# Altium PCB Hands_free_ControlUnit_V1.PcbDoc (part 3 of 3)
Units mm, origin at the board's own origin, x right, y up, seen from the top; angles counter-clockwise.
Board outline 60.25 x 90.27 mm, 2 copper layers (Top Layer, Bottom Layer); 33 components, 66 nets, 337 pads, 84 vias.
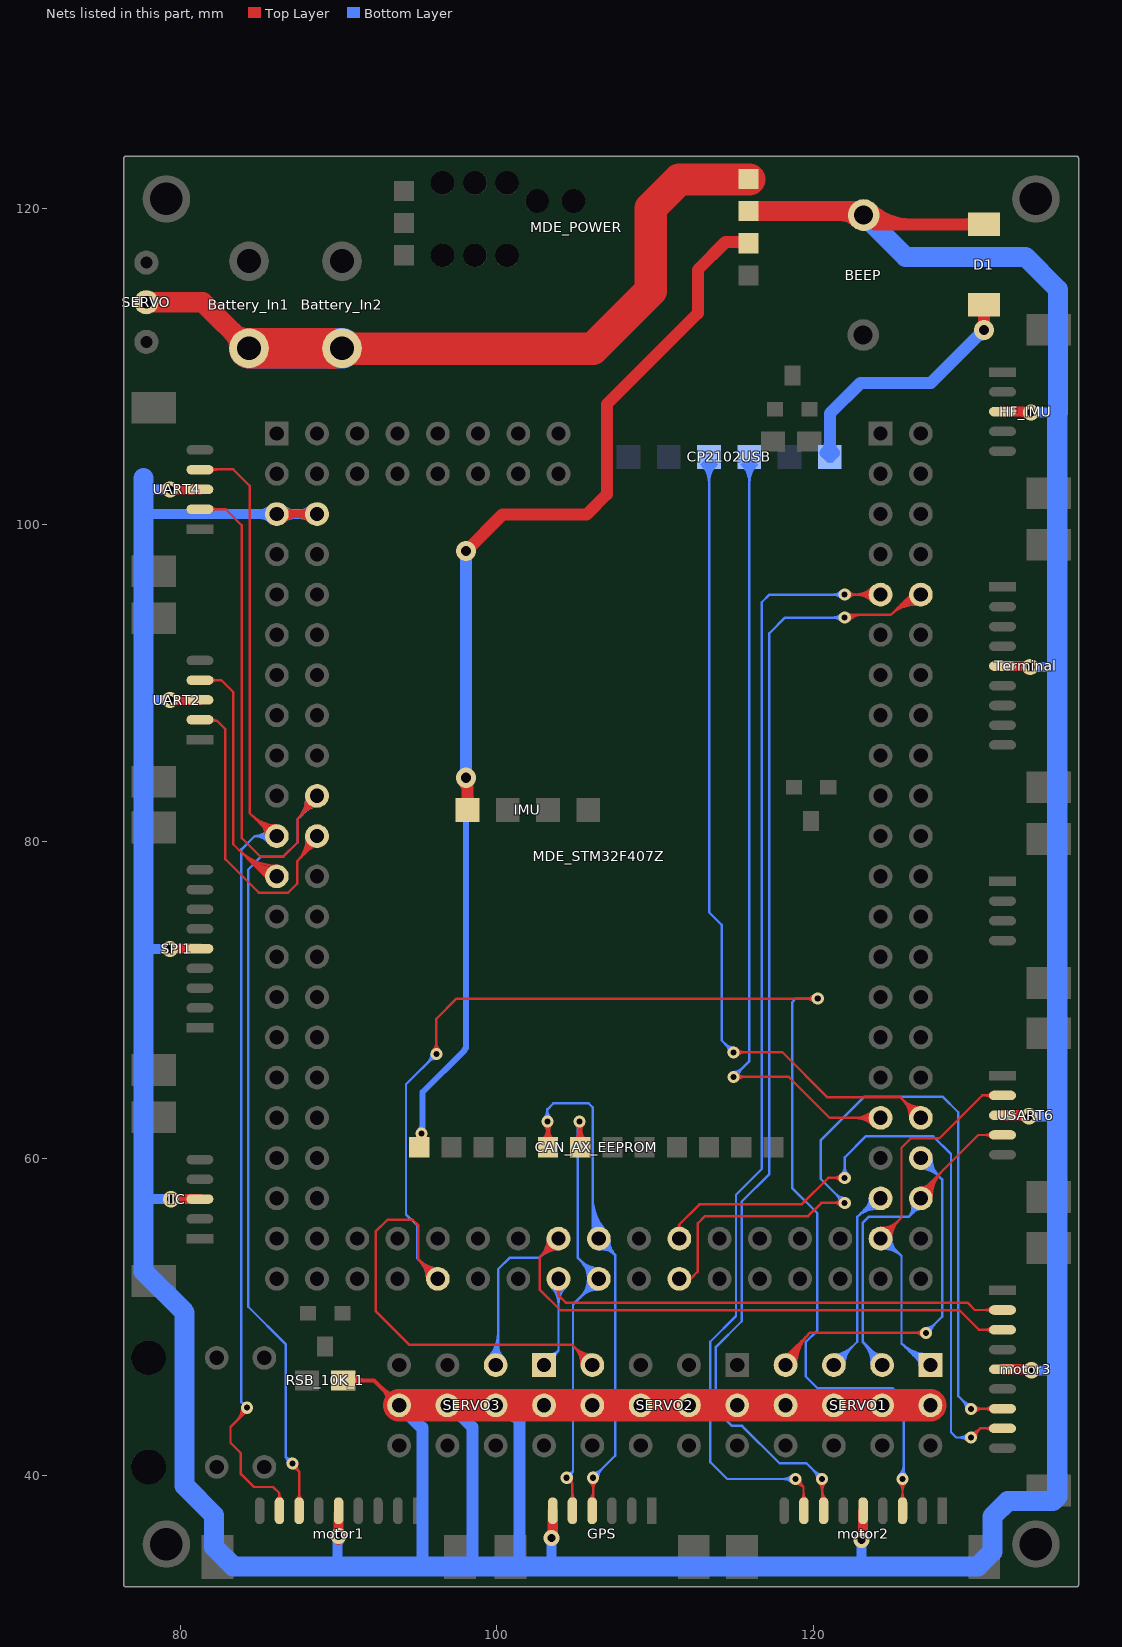
[diagram p3: the nets of this part, all layers, seen from the top]

## Via types
v1: diameter 0.762, hole 0.381, Top Layer to Bottom Layer, 70 vias
v2: diameter 1.016, hole 0.508, Top Layer to Bottom Layer, 11 vias
v3: diameter 1.27, hole 0.635, Top Layer to Bottom Layer, 3 vias

## Nets (pads, with @x,y where several pads share a name; then routed paths per layer and width w, separated by ;. In a path a pad name is that pad's centre, name@x,y a point inside that pad or via, vN(x,y) a via of type N, cw(c..) or ccw(c..) an arc to the next point about the centre after c; other vN are vias at no path point) (continued)
TIM1_PWMOUT4: MDE_STM32F407Z.67 motor2.3 SERVO2.10 | length 135.8
  Top Layer w0.152: MDE_STM32F407Z.67@95.592,52.429 ccw(c93.966,52.429) 95.116,53.579 ccw(c96.266,54.73) MDE_STM32F407Z.67@96.266,53.103 ; MDE_STM32F407Z.67@95.745,52.429 ccw(c94.486,52.429) 95.376,53.319 ccw(c96.266,54.209) MDE_STM32F407Z.67@96.266,52.95 ; MDE_STM32F407Z.67@95.897,52.429 ccw(c95.006,52.429) 95.636,53.059 ccw(c96.266,53.689) MDE_STM32F407Z.67@96.266,52.798 ; v1@95.959,66.84 ccw(c95.439,67.36) 96.175,67.36 ccw(c96.911,67.36) v1@96.391,66.84 ; v1(96.175,66.624) 96.175,68.845 97.443,70.112 v1(120.244,70.112) ; MDE_STM32F407Z.67@96.266,52.429 95.047,53.648 95.047,55.804 94.691,56.159 93.091,56.159 92.341,55.409 92.341,50.407 94.488,48.26 104.75,48.26 SERVO2.10@106.02,46.99 ; SERVO2.10@105.346,46.99 ccw(c103.719,46.99) 104.869,48.14 ccw(c106.02,49.29) SERVO2.10@106.02,47.664 ; SERVO2.10@105.498,46.99 ccw(c104.239,46.99) 105.13,47.88 ccw(c106.02,48.77) SERVO2.10@106.02,47.511 ; SERVO2.10@105.651,46.99 ccw(c104.76,46.99) 105.39,47.62 ccw(c106.02,48.25) SERVO2.10@106.02,47.359 ; v1@120.028,69.897 ccw(c119.508,69.377) 119.508,70.112 ccw(c119.508,70.848) v1@120.028,70.328 ; v1@125.377,39.586 cw(c124.857,39.066) 125.593,39.066 cw(c126.329,39.066) v1@125.808,39.586 ; motor2.3@125.434,38.503 ccw(c125.05,38.887) 125.593,38.887 ; motor2.3@125.567,37.643 125.593,37.669 v1(125.593,39.802) ; 125.593,38.884 ccw(c126.131,38.884) motor2.3@125.75,38.503
  Bottom Layer w0.152: MDE_STM32F407Z.67@95.592,52.429 ccw(c93.966,52.429) 95.116,53.579 ccw(c96.266,54.73) MDE_STM32F407Z.67@96.266,53.103 ; MDE_STM32F407Z.67@95.745,52.429 ccw(c94.486,52.429) 95.376,53.319 ccw(c96.266,54.209) MDE_STM32F407Z.67@96.266,52.95 ; v1@95.87,66.624 cw(c95.134,66.624) 95.655,66.104 cw(c96.175,65.584) v1@96.175,66.319 ; MDE_STM32F407Z.67@95.897,52.429 ccw(c95.006,52.429) 95.636,53.059 ccw(c96.266,53.689) MDE_STM32F407Z.67@96.266,52.798 ; v1(96.175,66.624) 94.259,64.709 94.259,56.49 94.971,55.778 94.971,53.724 MDE_STM32F407Z.67@96.266,52.429 ; v1@120.028,69.897 ccw(c119.508,69.377) 119.508,70.112 ccw(c119.508,70.848) v1@120.028,70.328 ; v1(120.244,70.112) 118.855,70.112 118.643,69.901 118.643,58.141 120.218,56.566 120.218,49.174 119.482,48.438 119.482,46.279 120.244,45.517 124.993,45.517 125.679,44.831 v1@125.679,40.132 ; v1@125.377,40.017 ccw(c124.648,40.746) 125.679,40.746 ; v1@125.485,39.91 ccw(c125.016,40.378) 125.679,40.378 ; 125.679,40.329 ccw(c126.12,40.329) v1@125.808,40.017
TIM2_ENCODR1_A: MDE_STM32F407Z.34 motor1.7 UART4.2 | length 96.1
  Top Layer w0.152: UART4.2@81.255,100.996 82.875,100.996 83.896,99.974 83.896,80.239 85.065,79.07 86.512,79.07 87.427,79.985 87.427,81.458 ; UART4.2@81.963,100.838 cw(c82.345,100.456) 82.345,100.996 cw(c82.345,101.536) UART4.2@81.963,101.154 ; v1@87.097,40.462 cw(c87.097,39.91) 87.487,40.301 ; v1(87.097,40.767) 87.097,40.691 87.518,40.27 ; motor1.7@87.359,38.503 ccw(c86.977,38.885) 87.518,38.885 ccw(c88.058,38.885) motor1.7@87.676,38.503 ; v1@87.394,40.699 ccw(c87.844,40.597) 87.518,40.27 ; motor1.7@87.518,37.643 87.518,40.27 ; 87.67,81.701 ccw(c86.565,82.805) MDE_STM32F407Z.34@88.125,82.883 ; 87.892,81.923 cw(c88.646,81.169) MDE_STM32F407Z.34@88.646,82.235 ; 87.913,81.944 ccw(c87.028,82.828) MDE_STM32F407Z.34@88.277,82.891 ; MDE_STM32F407Z.34@87.973,82.875 cw(c86.103,82.782) 87.427,81.458 ; MDE_STM32F407Z.34@88.014,82.909 MDE_STM32F407Z.34@88.646,82.909 88.646,82.677 87.427,81.458 ; 88.152,82.183 cw(c88.646,81.689) MDE_STM32F407Z.34@88.646,82.388 ; 88.155,82.186 ccw(c87.49,82.851) MDE_STM32F407Z.34@88.43,82.898
  Bottom Layer w0.152: v1@86.795,40.81 ccw(c86.34,40.874) 86.665,41.199 ; v1@87.054,41.069 cw(c86.99,41.524) 86.665,41.199 ; v1(87.097,40.767) 86.665,41.199 ; 87.667,81.672 ccw(c86.553,82.786) MDE_STM32F407Z.34@88.125,82.879 ; 87.907,81.912 ccw(c87.007,82.813) MDE_STM32F407Z.34@88.278,82.887 ; 87.935,81.941 cw(c88.646,81.23) MDE_STM32F407Z.34@88.646,82.235 ; MDE_STM32F407Z.34@87.973,82.87 cw(c86.1,82.76) 87.427,81.432 ; 88.147,82.152 ccw(c87.46,82.839) MDE_STM32F407Z.34@88.43,82.896 ; 88.195,82.201 cw(c88.646,81.751) MDE_STM32F407Z.34@88.646,82.388 ; MDE_STM32F407Z.34@88.646,82.909 88.646,82.652 87.427,81.432 ; 86.665,41.199 86.665,48.311 84.303,50.673 84.303,78.257 85.115,79.07 86.512,79.07 87.427,79.985 87.427,81.432
TIM2_ENCODR1_B: MDE_STM32F407Z.35 motor1.8 UART4.4 | length 88.8
  Top Layer w0.152: UART4.4@81.077,103.505 83.363,103.505 84.404,102.464 84.404,81.813 85.849,80.369 MDE_STM32F407Z.35@86.106,80.369 ; UART4.4@81.963,103.332 cw(c82.38,102.915) 82.38,103.505 ; UART4.4@81.963,103.649 ccw(c82.31,103.995) 82.31,103.505 ; 83.58,43.474 ccw(c82.756,44.298) v1@83.922,44.298 ; 83.841,43.734 ccw(c83.277,44.298) v1@84.074,44.298 ; 84.01,43.903 cw(c84.226,43.686) v1@84.226,43.993 ; v1@84.099,44.298 84.099,44.247 84.226,44.12 83.185,43.078 83.185,42.088 83.845,41.427 83.845,40.107 84.658,39.294 85.877,39.294 86.273,38.898 motor1.8@86.273,37.643 ; 84.516,81.701 ccw(c86.106,83.291) MDE_STM32F407Z.35@86.106,81.043 ; 84.776,81.441 ccw(c86.106,82.771) MDE_STM32F407Z.35@86.106,80.89 ; 85.037,81.181 ccw(c86.106,82.251) MDE_STM32F407Z.35@86.106,80.738 ; 85.138,81.08 cw(c84.427,80.369) MDE_STM32F407Z.35@85.432,80.369 ; 85.297,80.921 ccw(c86.106,81.73) MDE_STM32F407Z.35@86.106,80.586 ; 85.398,80.82 cw(c84.947,80.369) MDE_STM32F407Z.35@85.585,80.369 ; motor1.8@86.115,38.503 ccw(c85.733,38.885) 86.273,38.885 ccw(c86.813,38.885) motor1.8@86.431,38.503
  Bottom Layer w0.152: v1(84.226,44.298) 83.871,44.653 83.871,79.527 84.712,80.369 ; v1@84.366,44.475 v1@84.531,44.31 ; MDE_STM32F407Z.35@85.578,79.951 ccw(c84.713,79.265) 84.713,80.369 ; MDE_STM32F407Z.35@85.578,80.788 cw(c84.713,81.473) 84.713,80.369 ; MDE_STM32F407Z.35@85.697,80.045 ccw(c85.028,79.515) 85.028,80.369 ccw(c85.028,81.223) MDE_STM32F407Z.35@85.697,80.693 ; MDE_STM32F407Z.35@85.817,80.14 ccw(c85.343,79.765) 85.343,80.369 ccw(c85.343,80.974) MDE_STM32F407Z.35@85.817,80.598 ; MDE_STM32F407Z.35@86.106,80.369 84.712,80.369
TIM3_ENCODR2_A: MDE_STM32F407Z.134 motor2.7 | length 87.5
  Top Layer w0.152: v1@120.302,39.586 cw(c119.782,39.066) 120.518,39.066 cw(c121.254,39.066) v1@120.733,39.586 ; motor2.7@120.456,38.503 ccw(c120.305,38.654) 120.518,38.654 ; 120.518,38.749 ccw(c121.018,38.749) motor2.7@120.664,38.396 ; 120.518,39.117 ccw(c121.386,39.117) motor2.7@120.772,38.503 ; v1(120.518,39.802) 120.518,37.713 motor2.7@120.588,37.643 ; v1@122.053,94.05 cw(c122.743,93.361) 122.743,94.336 ; v1@122.161,93.942 cw(c123.111,92.993) 123.111,94.336 ; 122.375,94.336 ccw(c122.375,93.729) v1(121.945,94.158) 122.123,94.336 124.866,94.336 ; 125.084,94.554 cw(c126.425,93.213) MDE_STM32F407Z.134@126.677,95.092 ; 125.302,94.772 cw(c126.477,93.597) MDE_STM32F407Z.134@126.697,95.243 ; 125.52,94.99 cw(c126.528,93.982) MDE_STM32F407Z.134@126.717,95.394 ; 125.738,95.207 cw(c126.58,94.366) MDE_STM32F407Z.134@126.737,95.545 ; 125.956,95.425 cw(c126.631,94.75) MDE_STM32F407Z.134@126.758,95.697 ; MDE_STM32F407Z.134@126.657,94.941 ccw(c126.374,92.828) 124.866,94.336 ; MDE_STM32F407Z.134@126.746,95.609 126.14,95.609 124.866,94.336
  Bottom Layer w0.152: v1@120.213,39.802 ccw(c119.477,39.802) 119.998,40.322 ccw(c120.518,40.842) v1@120.518,40.107 ; v1(120.518,39.802) 119.527,40.792 117.831,40.792 115.468,43.155 114.833,43.155 113.817,44.171 113.817,48.133 115.443,49.759 115.443,57.302 117.196,59.055 117.196,93.167 118.186,94.158 v1(121.945,94.158) v1@122.25,94.158 ; v1@121.73,93.942 ccw(c121.21,93.422) 121.21,94.158 ccw(c121.21,94.894) v1@121.73,94.373
TIM3_ENCODR2_B: MDE_STM32F407Z.135 motor2.8 | length 82.9
  Top Layer w0.152: v1(118.826,39.802) 119.344,39.284 ; v1@118.827,39.497 cw(c118.83,38.771) 119.344,39.284 ; v1@119.131,39.801 ccw(c119.857,39.798) 119.344,39.284 ; motor2.8@119.211,38.503 ccw(c118.89,38.824) 119.344,38.824 ; motor2.8@119.344,37.643 119.344,39.284 ; 119.344,38.947 ccw(c119.971,38.947) motor2.8@119.527,38.503 ; v1(121.945,95.609) MDE_STM32F407Z.135@124.206,95.609 ; v1@122.161,95.394 cw(c122.681,94.873) 122.681,95.609 cw(c122.681,96.345) v1@122.161,95.825 ; MDE_STM32F407Z.135@123.73,95.133 ccw(c122.579,93.982) 122.579,95.609 ccw(c122.579,97.236) MDE_STM32F407Z.135@123.73,96.086 ; MDE_STM32F407Z.135@123.837,95.24 ccw(c122.947,94.35) 122.947,95.609 ccw(c122.947,96.868) MDE_STM32F407Z.135@123.837,95.978 ; MDE_STM32F407Z.135@123.945,95.348 ccw(c123.315,94.718) 123.315,95.609 ccw(c123.315,96.5) MDE_STM32F407Z.135@123.945,95.87
  Bottom Layer w0.152: v1@118.611,39.586 ccw(c118.09,39.066) 118.09,39.802 ccw(c118.09,40.538) v1@118.611,40.017 ; v1(118.826,39.802) 114.529,39.802 113.462,40.869 113.462,48.463 115.087,50.089 115.087,57.734 116.713,59.36 116.713,95.123 117.199,95.609 v1(121.945,95.609) ; v1@121.73,95.394 ccw(c121.21,94.873) 121.21,95.609 ccw(c121.21,96.345) v1@121.73,95.825
TIM4_ENCODR3_A: MDE_STM32F407Z.81 motor3.7 | length 56.1
  Top Layer w0.152: MDE_STM32F407Z.81@111.506,52.429 112.221,52.429 112.674,52.883 112.674,55.931 113.132,56.388 119.634,56.388 120.472,57.226 v1(121.945,57.226) ; v1@121.73,57.011 ccw(c121.21,56.49) 121.21,57.226 ccw(c121.21,57.962) v1@121.73,57.442 ; v1(129.921,44.221) 129.936,44.236 motor3.7@132.105,44.236 ; v1@130.029,44.114 cw(c130.324,43.818) 130.324,44.236 ; v1@130.137,44.006 cw(c130.692,43.45) 130.692,44.236 ; v1@130.137,44.437 ccw(c130.622,44.922) 130.622,44.236 ; motor3.7@131.194,44.078 ccw(c130.812,43.696) 130.812,44.236 ccw(c130.812,44.776) motor3.7@131.194,44.394
  Bottom Layer w0.152: v1@121.641,57.226 ccw(c120.905,57.226) 121.425,57.747 ccw(c121.945,58.267) v1@121.945,57.531 ; v1(121.945,57.226) 120.421,58.75 120.421,61.163 123.19,63.932 128.118,63.932 129.108,62.941 129.108,45.034 v1(129.921,44.221) ; v1@129.616,44.221 ccw(c128.88,44.221) 129.401,44.742 ccw(c129.921,45.262) v1@129.921,44.526
TIM4_ENCODR3_B: MDE_STM32F407Z.82 motor3.8 | length 49
  Top Layer w0.152: MDE_STM32F407Z.82@111.326,55.619 ccw(c111.261,55.855) 111.506,55.855 ; MDE_STM32F407Z.82@111.506,54.969 111.506,55.855 ; MDE_STM32F407Z.82@111.686,55.619 cw(c111.751,55.855) 111.506,55.855 ; v1@121.73,58.585 ccw(c121.21,58.065) 121.21,58.801 ccw(c121.21,59.537) v1@121.73,59.017 ; v1(121.945,58.801) 120.904,58.801 119.228,57.125 112.776,57.125 111.506,55.855 ; v1(129.921,42.418) 130.494,42.991 motor3.8@132.105,42.991 ; v1@129.921,42.723 ccw(c129.921,43.459) 130.441,42.938 ccw(c130.962,42.418) v1@130.226,42.418 ; motor3.8@131.194,42.833 ccw(c130.812,42.451) 130.812,42.991 ccw(c130.812,43.532) motor3.8@131.194,43.15
  Bottom Layer w0.152: v1@121.73,59.017 ccw(c121.21,59.537) 121.945,59.537 ccw(c122.681,59.537) v1@122.161,59.017 ; v1(121.945,58.801) 121.945,60.096 123.266,61.417 127.533,61.417 128.651,60.3 128.651,42.748 128.981,42.418 v1(129.921,42.418) ; v1@129.705,42.202 ccw(c129.185,41.682) 129.185,42.418 ccw(c129.185,43.154) v1@129.705,42.634
TIM8_PWMOUT1: MDE_STM32F407Z.96 SERVO1.1 USART6.2 | length 43.9
  Top Layer w0.152: MDE_STM32F407Z.96@124.206,54.969 125.527,56.29 125.527,60.706 126.111,61.29 127.914,61.29 130.627,64.003 USART6.2@132.105,64.003 ; MDE_STM32F407Z.96@124.206,55.338 ccw(c124.206,56.229) 124.836,55.599 ccw(c125.466,54.969) MDE_STM32F407Z.96@124.575,54.969 ; MDE_STM32F407Z.96@124.206,55.49 ccw(c124.206,56.749) 125.096,55.859 ccw(c125.986,54.969) MDE_STM32F407Z.96@124.727,54.969 ; MDE_STM32F407Z.96@124.206,55.643 ccw(c124.206,57.27) 125.356,56.119 ccw(c126.506,54.969) MDE_STM32F407Z.96@124.88,54.969 ; USART6.2@131.194,63.844 ccw(c130.812,63.462) 130.812,64.003 ccw(c130.812,64.543) USART6.2@131.194,64.161
  Bottom Layer w0.152: MDE_STM32F407Z.96@124.206,54.969 124.431,54.969 125.527,53.873 ; MDE_STM32F407Z.96@124.232,54.754 cw(c124.325,53.998) 124.864,54.537 ; MDE_STM32F407Z.96@124.251,54.603 cw(c124.373,53.604) 125.085,54.316 ; MDE_STM32F407Z.96@124.269,54.452 cw(c124.421,53.21) 125.306,54.095 ; MDE_STM32F407Z.96@124.288,54.3 cw(c124.47,52.816) 125.527,53.873 ; MDE_STM32F407Z.96@124.727,54.969 ccw(c125.443,54.969) 124.937,54.463 ; MDE_STM32F407Z.96@124.88,54.969 ccw(c125.963,54.969) 125.197,54.203 ; 125.771,48.117 ccw(c127.24,49.585) SERVO1.1@127.332,47.511 ; 126.016,47.872 ccw(c127.261,49.117) SERVO1.1@127.339,47.359 ; 126.261,47.628 ccw(c127.281,48.649) SERVO1.1@127.346,47.206 ; 126.505,47.383 ccw(c127.302,48.18) SERVO1.1@127.353,47.054 ; 126.529,47.36 cw(c126.159,46.99) SERVO1.1@126.682,46.99 ; SERVO1.1@127.326,47.663 cw(c127.219,50.053) 125.527,48.362 ; SERVO1.1@127.356,46.99 126.898,46.99 125.527,48.362 ; 125.527,48.362 125.527,53.873
TIM8_PWMOUT2: MDE_STM32F407Z.97 SERVO1.4 USART6.4 | length 39.6
  Top Layer w0.152: MDE_STM32F407Z.97@126.746,57.509 126.746,57.887 130.367,61.508 USART6.4@132.105,61.508 ; MDE_STM32F407Z.97@126.746,58.183 ccw(c126.746,58.898) 127.252,58.392 ; MDE_STM32F407Z.97@126.81,57.509 cw(c127.877,57.509) 127.123,58.263 ; MDE_STM32F407Z.97@126.963,57.509 cw(c128.397,57.509) 127.383,58.523 ; MDE_STM32F407Z.97@127.115,57.509 cw(c128.917,57.509) 127.643,58.783 ; MDE_STM32F407Z.97@127.267,57.509 cw(c129.438,57.509) 127.903,59.044 ; MDE_STM32F407Z.97@127.42,57.509 cw(c129.958,57.509) 128.163,59.304 ; USART6.4@131.194,61.35 ccw(c130.812,60.968) 130.812,61.508 ccw(c130.812,62.048) USART6.4@131.194,61.666
  Bottom Layer w0.152: 123.332,48.194 cw(c122.228,47.091) SERVO1.4@123.787,47.015 ; 123.548,47.979 ccw(c124.308,48.739) SERVO1.4@124.308,47.664 ; 123.575,47.951 cw(c122.692,47.069) SERVO1.4@123.939,47.008 ; SERVO1.4@123.635,47.023 ccw(c121.765,47.114) 123.088,48.438 ; 123.808,47.718 ccw(c124.308,48.218) SERVO1.4@124.308,47.511 ; 123.818,47.708 cw(c123.156,47.046) SERVO1.4@124.091,47.001 ; SERVO1.4@124.308,46.99 124.308,47.219 123.088,48.438 ; 126.137,56.49 ccw(c125.641,56.986) MDE_STM32F407Z.97@126.275,57.286 ; MDE_STM32F407Z.97@126.137,57.221 cw(c125.434,56.888) 125.984,56.337 ; 126.29,56.643 ccw(c125.849,57.084) MDE_STM32F407Z.97@126.413,57.351 ; 126.295,56.649 cw(c126.746,56.198) MDE_STM32F407Z.97@126.746,56.835 ; 126.443,56.796 ccw(c126.056,57.182) MDE_STM32F407Z.97@126.55,57.416 ; MDE_STM32F407Z.97@126.746,57.509 126.746,57.099 125.984,56.337 ; 123.088,48.438 123.088,55.982 123.444,56.337 125.984,56.337
TIM8_PWMOUT3: MDE_STM32F407Z.98 SERVO1.7 | length 23.7
  Bottom Layer w0.152: SERVO1.7@121.26,46.99 122.733,48.463 122.733,56.337 ; SERVO1.7@121.26,47.359 ccw(c121.26,48.25) 121.89,47.62 ccw(c122.519,46.99) SERVO1.7@121.629,46.99 ; SERVO1.7@121.26,47.511 ccw(c121.26,48.77) 122.15,47.88 ccw(c123.04,46.99) SERVO1.7@121.781,46.99 ; SERVO1.7@121.26,47.664 ccw(c121.26,49.29) 122.41,48.14 ccw(c123.56,46.99) SERVO1.7@121.933,46.99 ; 122.96,56.565 cw(c124.006,55.519) MDE_STM32F407Z.98@124.154,56.99 ; 123.187,56.792 cw(c124.047,55.932) MDE_STM32F407Z.98@124.169,57.142 ; 123.269,56.873 ccw(c122.633,57.509) MDE_STM32F407Z.98@123.532,57.509 ; 123.415,57.019 cw(c124.089,56.345) MDE_STM32F407Z.98@124.184,57.294 ; 123.529,57.133 ccw(c123.153,57.509) MDE_STM32F407Z.98@123.685,57.509 ; MDE_STM32F407Z.98@124.139,56.839 ccw(c123.964,55.106) 122.733,56.337 ; MDE_STM32F407Z.98@124.206,57.509 123.905,57.509 122.733,56.337
TIM8_PWMOUT4: MDE_STM32F407Z.99 SERVO1.10 | length 39
  Top Layer w0.152: SERVO1.10@118.212,46.99 118.212,47.498 119.736,49.022 v1(127.076,49.022) ; SERVO1.10@118.212,47.664 ccw(c118.212,48.064) 118.495,47.781 ; SERVO1.10@118.276,46.99 cw(c119.657,46.99) 118.68,47.967 ; SERVO1.10@118.428,46.99 cw(c120.178,46.99) 118.941,48.227 ; SERVO1.10@118.581,46.99 cw(c120.698,46.99) 119.201,48.487 ; SERVO1.10@118.733,46.99 cw(c121.218,46.99) 119.461,48.747 ; SERVO1.10@118.885,46.99 cw(c121.739,46.99) 119.721,49.007 ; v1@126.861,48.806 ccw(c126.34,48.286) 126.34,49.022 ccw(c126.34,49.758) v1@126.861,49.238
  Bottom Layer w0.152: MDE_STM32F407Z.99@126.746,59.375 cw(c126.746,57.749) 127.896,58.899 cw(c129.046,60.049) MDE_STM32F407Z.99@127.42,60.049 ; MDE_STM32F407Z.99@126.746,59.528 cw(c126.746,58.269) 127.636,59.159 cw(c128.526,60.049) MDE_STM32F407Z.99@127.267,60.049 ; MDE_STM32F407Z.99@126.746,59.68 cw(c126.746,58.789) 127.376,59.419 cw(c128.006,60.049) MDE_STM32F407Z.99@127.115,60.049 ; MDE_STM32F407Z.99@126.746,60.198 MDE_STM32F407Z.99@126.746,60.049 128.092,58.703 128.092,50.038 v1(127.076,49.022) ; v1@127.076,49.327 ccw(c127.076,50.063) 127.597,49.542 ccw(c128.117,49.022) v1@127.381,49.022
TIM12_PWMOUT1: MDE_STM32F407Z.75 motor3.2 SERVO3.1 | length 47.2
  Top Layer w0.152: MDE_STM32F407Z.75@103.608,51.815 cw(c103.413,51.384) 103.886,51.384 ; MDE_STM32F407Z.75@103.671,51.954 cw(c103.52,51.621) 103.886,51.621 cw(c104.252,51.621) MDE_STM32F407Z.75@104.101,51.954 ; MDE_STM32F407Z.75@103.886,52.429 103.886,51.384 ; MDE_STM32F407Z.75@104.164,51.815 ccw(c104.359,51.384) 103.886,51.384 ; motor3.2@131.194,50.306 ccw(c130.812,49.924) 130.812,50.464 ccw(c130.812,51.005) motor3.2@131.194,50.623 ; motor3.2@132.105,50.464 130.155,50.464 129.692,50.927 104.343,50.927 103.886,51.384
  Bottom Layer w0.152: SERVO3.1@102.972,46.99 103.886,47.904 ; SERVO3.1@103.063,47.503 ccw(c103.185,48.192) 103.679,47.698 ccw(c104.174,47.203) SERVO3.1@103.485,47.081 ; SERVO3.1@103.089,47.653 ccw(c103.247,48.543) 103.886,47.904 ; MDE_STM32F407Z.75@103.41,51.953 cw(c102.259,50.802) 103.886,50.802 cw(c105.513,50.802) MDE_STM32F407Z.75@104.362,51.953 ; MDE_STM32F407Z.75@103.517,52.06 cw(c102.627,51.17) 103.886,51.17 cw(c105.145,51.17) MDE_STM32F407Z.75@104.255,52.06 ; MDE_STM32F407Z.75@103.625,52.168 cw(c102.995,51.538) 103.886,51.538 cw(c104.777,51.538) MDE_STM32F407Z.75@104.147,52.168 ; SERVO3.1@103.635,47.108 cw(c104.525,47.265) 103.886,47.904 ; MDE_STM32F407Z.75@103.886,52.429 103.886,47.904
TIM12_PWMOUT2: MDE_STM32F407Z.76 motor3.3 SERVO3.4 | length 64.3
  Top Layer w0.152: MDE_STM32F407Z.76@103.212,54.969 cw(c101.586,54.969) 102.736,53.819 cw(c103.886,52.669) MDE_STM32F407Z.76@103.886,54.295 ; MDE_STM32F407Z.76@103.365,54.969 cw(c102.106,54.969) 102.996,54.079 cw(c103.886,53.189) MDE_STM32F407Z.76@103.886,54.448 ; MDE_STM32F407Z.76@103.517,54.969 cw(c102.626,54.969) 103.256,54.339 cw(c103.886,53.709) MDE_STM32F407Z.76@103.886,54.6 ; MDE_STM32F407Z.76@103.886,54.737 MDE_STM32F407Z.76@103.886,54.969 102.692,53.775 102.692,51.765 104.013,50.444 129.184,50.444 130.414,49.214 motor3.3@132.105,49.214 ; motor3.3@131.194,49.056 ccw(c130.812,48.674) 130.812,49.214 ccw(c130.812,49.755) motor3.3@131.194,49.373
  Bottom Layer w0.152: SERVO3.4@99.447,47.466 ccw(c97.929,48.985) 100.076,48.985 ; SERVO3.4@99.555,47.359 ccw(c98.297,48.617) 100.076,48.617 ; SERVO3.4@99.663,47.251 ccw(c98.665,48.249) 100.076,48.249 ccw(c101.182,48.249) SERVO3.4@100.4,47.466 ; SERVO3.4@99.77,47.143 ccw(c99.033,47.881) 100.076,47.881 ccw(c100.814,47.881) SERVO3.4@100.292,47.359 ; SERVO3.4@99.924,46.99 100.076,47.142 100.076,53.035 100.813,53.772 102.689,53.772 MDE_STM32F407Z.76@103.886,54.969 ; MDE_STM32F407Z.76@103.212,54.969 cw(c101.586,54.969) 102.736,53.819 cw(c103.886,52.669) MDE_STM32F407Z.76@103.886,54.295 ; MDE_STM32F407Z.76@103.365,54.969 cw(c102.106,54.969) 102.996,54.079 cw(c103.886,53.189) MDE_STM32F407Z.76@103.886,54.448 ; MDE_STM32F407Z.76@103.517,54.969 cw(c102.626,54.969) 103.256,54.339 cw(c103.886,53.709) MDE_STM32F407Z.76@103.886,54.6
USART1_RX: CP2102USB.4 MDE_STM32F407Z.102 | length 64
  Top Layer w0.152: v1(114.935,65.176) 118.415,65.176 121.002,62.589 MDE_STM32F407Z.102@124.206,62.589 ; v1@115.151,64.961 cw(c115.671,64.441) 115.671,65.176 cw(c115.671,65.912) v1@115.151,65.392 ; MDE_STM32F407Z.102@123.73,62.113 ccw(c122.579,60.962) 122.579,62.589 ccw(c122.579,64.216) MDE_STM32F407Z.102@123.73,63.066 ; MDE_STM32F407Z.102@123.837,62.22 ccw(c122.947,61.33) 122.947,62.589 ccw(c122.947,63.848) MDE_STM32F407Z.102@123.837,62.958 ; MDE_STM32F407Z.102@123.945,62.328 ccw(c123.315,61.698) 123.315,62.589 ccw(c123.315,63.48) MDE_STM32F407Z.102@123.945,62.85
  Bottom Layer w0.152: v1(114.935,65.176) 115.926,66.167 CP2102USB.4@115.926,104.292 ; v1@114.935,65.481 ccw(c114.935,66.217) 115.455,65.697 ccw(c115.976,65.176) v1@115.24,65.176 ; CP2102USB.4@115.45,103.816 cw(c114.301,102.667) 115.926,102.667 cw(c117.551,102.667) CP2102USB.4@116.402,103.816 ; CP2102USB.4@115.557,103.924 cw(c114.669,103.035) 115.926,103.035 cw(c117.183,103.035) CP2102USB.4@116.294,103.924 ; CP2102USB.4@115.665,104.032 cw(c115.036,103.403) 115.926,103.403 cw(c116.815,103.403) CP2102USB.4@116.186,104.032
USART1_TX: CP2102USB.3 MDE_STM32F407Z.101 | length 65.9
  Top Layer w0.152: v1(114.935,66.726) 118.008,66.726 120.853,63.881 125.454,63.881 MDE_STM32F407Z.101@126.746,62.589 ; v1@115.151,66.51 cw(c115.671,65.99) 115.671,66.726 cw(c115.671,67.462) v1@115.151,66.941 ; MDE_STM32F407Z.101@126.072,62.589 ccw(c124.446,62.589) 125.596,63.739 ccw(c126.746,64.89) MDE_STM32F407Z.101@126.746,63.263 ; MDE_STM32F407Z.101@126.225,62.589 ccw(c124.966,62.589) 125.856,63.479 ccw(c126.746,64.369) MDE_STM32F407Z.101@126.746,63.11 ; MDE_STM32F407Z.101@126.377,62.589 ccw(c125.486,62.589) 126.116,63.219 ccw(c126.746,63.849) MDE_STM32F407Z.101@126.746,62.958
  Bottom Layer w0.152: CP2102USB.3@112.91,103.816 cw(c111.761,102.667) 113.386,102.667 cw(c115.011,102.667) CP2102USB.3@113.862,103.816 ; CP2102USB.3@113.017,103.924 cw(c112.129,103.035) 113.386,103.035 cw(c114.643,103.035) CP2102USB.3@113.754,103.924 ; CP2102USB.3@113.125,104.032 cw(c112.496,103.403) 113.386,103.403 cw(c114.275,103.403) CP2102USB.3@113.646,104.032 ; CP2102USB.3@113.386,104.292 113.386,75.565 114.173,74.778 114.173,67.488 v1(114.935,66.726) ; v1@114.63,66.726 ccw(c113.894,66.726) 114.415,67.246 ccw(c114.935,67.766) v1@114.935,67.031
USART2_RX: MDE_STM32F407Z.37 UART2.4 | length 28.8
  Top Layer w0.152: UART2.4@81.255,90.206 82.615,90.206 83.363,89.459 83.363,79.858 85.391,77.829 MDE_STM32F407Z.37@86.106,77.829 ; UART2.4@81.963,90.048 cw(c82.345,89.666) 82.345,90.206 cw(c82.345,90.746) UART2.4@81.963,90.364 ; 83.736,79.485 ccw(c86.106,81.855) MDE_STM32F407Z.37@86.106,78.503 ; 83.996,79.225 ccw(c86.106,81.335) MDE_STM32F407Z.37@86.106,78.35 ; 84.256,78.964 ccw(c86.106,80.814) MDE_STM32F407Z.37@86.106,78.198 ; 84.516,78.704 ccw(c86.106,80.294) MDE_STM32F407Z.37@86.106,78.046 ; 84.776,78.444 ccw(c86.106,79.774) MDE_STM32F407Z.37@86.106,77.893 ; 85.037,78.184 ccw(c86.106,79.253) MDE_STM32F407Z.37@86.106,77.741 ; 85.297,77.924 ccw(c86.106,78.733) MDE_STM32F407Z.37@86.106,77.588
USART2_TX: MDE_STM32F407Z.36 UART2.2 | length 25.5
  Top Layer w0.152: UART2.2@81.509,87.655 82.321,87.655 ; UART2.2@81.963,87.553 cw(c82.209,87.307) 82.209,87.655 ; UART2.2@81.992,87.834 ccw(c82.321,88.048) 82.321,87.655 ; 87.638,79.027 ccw(c86.45,80.215) MDE_STM32F407Z.36@88.126,80.333 ; 87.874,79.264 ccw(c86.892,80.246) MDE_STM32F407Z.36@88.278,80.343 ; MDE_STM32F407Z.36@87.974,80.322 cw(c86.008,80.184) 87.401,78.791 ; 88.065,79.455 cw(c88.646,78.874) MDE_STM32F407Z.36@88.646,79.695 ; 88.111,79.5 ccw(c87.334,80.277) MDE_STM32F407Z.36@88.43,80.354 ; MDE_STM32F407Z.36@88.646,80.369 88.367,80.09 88.367,79.756 87.401,78.791 ; 82.321,87.655 82.855,87.122 82.855,78.918 84.973,76.8 86.833,76.8 87.401,77.368 87.401,78.791
USART3_RX: CAN_AX_EEPROM.8 GPS.4 MDE_STM32F407Z.78 | length 58.9
  Top Layer w0.152: CAN_AX_EEPROM.8@102.83,61.127 ccw(c101.982,61.975) 103.182,61.975 ; CAN_AX_EEPROM.8@102.938,61.019 ccw(c102.35,61.607) 103.182,61.607 ; v1@102.967,62.141 cw(c102.446,61.621) 103.182,61.621 cw(c103.918,61.621) v1@103.398,62.141 ; v1@103.02,62.099 cw(c102.698,61.586) 103.288,61.721 ; CAN_AX_EEPROM.8@103.175,60.325 103.175,60.731 103.182,60.739 v1(103.182,62.357) ; 103.182,61.45 ccw(c103.944,61.45) CAN_AX_EEPROM.8@103.405,60.911 ; 103.182,61.818 ccw(c104.312,61.818) CAN_AX_EEPROM.8@103.513,61.019 ; v1@103.182,62.186 ccw(c104.68,62.186) CAN_AX_EEPROM.8@103.621,61.127 ; 103.238,61.939 cw(c103.633,62.03) v1@103.305,62.267 ; 103.313,61.612 cw(c103.994,61.768) v1@103.429,62.178 ; GPS.4@105.851,38.503 ccw(c105.32,39.034) 106.07,39.034 ; v1@105.855,39.662 cw(c105.335,39.142) 106.07,39.142 cw(c106.806,39.142) v1@106.286,39.662 ; GPS.4@105.958,38.396 ccw(c105.688,38.666) 106.07,38.666 ; GPS.4@106.009,37.643 106.07,37.704 v1(106.07,39.878) ; 106.07,38.737 ccw(c106.4,38.737) GPS.4@106.167,38.503
  Bottom Layer w0.152: v1@102.967,62.573 ccw(c102.446,63.093) 103.182,63.093 ccw(c103.918,63.093) v1@103.398,62.573 ; v1(103.182,62.357) 103.182,63.126 103.556,63.5 105.791,63.5 106.045,63.246 106.045,55.35 MDE_STM32F407Z.78@106.426,54.969 107.455,53.94 ; MDE_STM32F407Z.78@105.95,55.446 ccw(c105.719,55.676) 106.045,55.676 ccw(c107.133,55.676) MDE_STM32F407Z.78@106.364,54.907 ; 106.045,56.044 ccw(c107.501,56.044) MDE_STM32F407Z.78@106.471,55.014 ; 106.045,56.412 ccw(c107.869,56.412) MDE_STM32F407Z.78@106.579,55.122 ; 106.045,56.78 ccw(c108.237,56.78) MDE_STM32F407Z.78@106.687,55.23 ; 106.045,57.148 ccw(c108.605,57.148) MDE_STM32F407Z.78@106.795,55.338 ; 106.045,57.516 ccw(c108.973,57.516) MDE_STM32F407Z.78@106.902,55.446 ; v1(106.07,39.878) 107.455,41.263 107.455,53.94 ; v1@106.07,40.183 ccw(c106.07,40.919) 106.591,40.398 ccw(c107.111,39.878) v1@106.375,39.878 ; MDE_STM32F407Z.78@106.456,54.601 cw(c106.511,53.927) 106.99,54.405 cw(c107.468,54.884) MDE_STM32F407Z.78@106.794,54.939 ; MDE_STM32F407Z.78@106.468,54.449 cw(c106.546,53.496) 107.223,54.173 cw(c107.899,54.849) MDE_STM32F407Z.78@106.946,54.927 ; MDE_STM32F407Z.78@106.481,54.298 cw(c106.582,53.066) 107.455,53.94 ; MDE_STM32F407Z.78@107.098,54.914 ccw(c108.329,54.813) 107.455,53.94
USART3_TX: CAN_AX_EEPROM.7 GPS.5 MDE_STM32F407Z.77 | length 52.1
  Top Layer w0.152: v1(104.402,39.878) 104.764,39.516 ; v1@104.489,39.586 cw(c104.568,39.321) 104.764,39.516 ; GPS.5@104.606,38.503 ccw(c104.224,38.885) 104.764,38.885 ccw(c105.304,38.885) GPS.5@104.922,38.503 ; v1@104.695,39.791 ccw(c104.96,39.712) 104.764,39.516 ; GPS.5@104.764,37.643 104.764,39.516 ; CAN_AX_EEPROM.7@104.862,61.127 ccw(c104.005,61.984) v1@105.218,61.984 ; CAN_AX_EEPROM.7@104.97,61.019 ccw(c104.373,61.616) 105.218,61.616 ; v1@105.002,62.141 cw(c104.482,61.621) 105.218,61.621 cw(c105.954,61.621) v1@105.433,62.141 ; v1@105.016,62.128 cw(c104.717,61.787) 105.162,61.7 ; v1@105.055,62.099 cw(c104.736,61.592) 105.32,61.725 ; v1@105.117,62.243 cw(c104.92,62.018) 105.213,61.961 ; 105.18,61.791 cw(c105.662,61.696) v1@105.388,62.104 ; CAN_AX_EEPROM.7@105.207,60.731 105.218,60.742 v1(105.218,62.357) ; 105.218,61.441 ccw(c105.967,61.441) CAN_AX_EEPROM.7@105.437,60.911 ; 105.218,61.809 ccw(c106.335,61.809) CAN_AX_EEPROM.7@105.545,61.019 ; v1@105.218,62.177 ccw(c106.703,62.177) CAN_AX_EEPROM.7@105.653,61.127 ; 105.272,61.94 cw(c105.662,62.028) v1@105.34,62.266 ; 105.345,61.616 cw(c106.013,61.768) v1@105.463,62.176 ; MDE_STM32F407Z.77@106.426,52.429 MDE_STM32F407Z.77@106.426,52.908
  Bottom Layer w0.152: v1(104.402,39.878) 104.8,40.276 ; v1@104.465,40.176 ccw(c104.541,40.535) 104.8,40.276 ; v1@104.701,39.941 cw(c105.06,40.016) 104.8,40.276 ; v1@105.002,62.141 cw(c104.753,61.893) 105.105,61.893 ; 105.105,61.35 cw(c106.225,61.35) v1@105.433,62.141 ; 105.105,61.718 cw(c105.857,61.718) v1@105.325,62.249 ; v1@105.105,62.357 105.105,53.75 MDE_STM32F407Z.77@106.426,52.429 104.8,50.803 104.8,40.276 ; MDE_STM32F407Z.77@106.426,51.755 ccw(c106.426,50.129) 105.276,51.279 ccw(c104.126,52.429) 105.752,52.429 ccw(c104.126,52.429) 105.276,53.579 ccw(c106.426,54.73) MDE_STM32F407Z.77@106.426,53.103 ; MDE_STM32F407Z.77@106.426,51.908 ccw(c106.426,50.649) 105.536,51.539 ccw(c104.646,52.429) 105.905,52.429 ccw(c104.646,52.429) 105.536,53.319 ccw(c106.426,54.209) MDE_STM32F407Z.77@106.426,52.95 ; MDE_STM32F407Z.77@106.426,52.06 ccw(c106.426,51.169) 105.796,51.799 ccw(c105.166,52.429) 106.057,52.429 ccw(c105.166,52.429) 105.796,53.059 ccw(c106.426,53.689) MDE_STM32F407Z.77@106.426,52.798
VCC3.3V_CHIP: CAN_AX_EEPROM.12 IMU.1 MDE_POWER.3 | length 78.5
  Top Layer w0.381: CAN_AX_EEPROM.12@94.941,61.147 ccw(c94.771,61.595) v1(95.25,61.595) 95.25,60.935 CAN_AX_EEPROM.12@95.047,60.731 ; v1@95.115,61.46 cw(c94.79,61.135) 95.25,61.135 cw(c95.71,61.135) v1@95.385,61.46 ; v1@95.25,61.437 ccw(c95.803,61.437) CAN_AX_EEPROM.12@95.412,61.046
  Top Layer w0.762: v3@97.864,83.869 cw(c97.186,83.19) 98.146,83.19 ; IMU.1@97.885,82.277 ccw(c97.256,82.906) 98.146,82.906 ccw(c99.035,82.906) IMU.1@98.406,82.277 ; v3(98.044,84.049) 98.146,83.947 IMU.1@98.146,82.017 ; v3(98.044,98.349) 100.355,100.66 105.664,100.66 106.934,101.93 106.934,107.62 112.674,113.36 112.674,116.103 114.427,117.856 MDE_POWER.3@115.799,117.856 ; 115.078,117.856 cw(c115.078,116.983) MDE_POWER.3@115.695,117.6
  Bottom Layer w0.381: v1@95.115,61.73 ccw(c94.667,62.178) 95.301,62.178 ; v1@95.301,61.57 95.301,64.211 97.955,66.865 97.955,66.895 98.044,66.984 v3(98.044,84.049) ; v3@97.73,83.734 cw(c96.971,82.975) 98.044,82.975 cw(c99.117,82.975) v3@98.358,83.734
  Bottom Layer w0.762: v3(98.044,84.049) v3(98.044,98.349)
VCC5V_CHIP: BEEP.1 D1.2 GPS.6 HF_IMU.3 IIC.3 MDE_POWER.2 MDE_STM32F407Z.200 MDE_STM32F407Z.201 motor1.5 motor2.5 motor3.5 RSB_10K_1.2 SERVO1.2 SERVO1.5 SERVO1.8 SERVO1.11 SERVO2.2 SERVO2.5 SERVO2.8 SERVO2.11 SERVO3.2 SERVO3.5 SERVO3.8 SERVO3.11 SPI1.5 Terminal.5 UART2.3 UART4.3 USART6.3 | length 385.1
  Top Layer w0.254: RSB_10K_1.2@90.527,45.796 RSB_10K_1.2@90.299,46.025 92.253,46.025 SERVO3.11@93.828,44.45 ; RSB_10K_1.2@90.785,45.666 cw(c91.652,44.798) 91.652,46.025 cw(c91.652,47.251) RSB_10K_1.2@90.785,46.384 ; SERVO3.11@93.205,44.45 ccw(c91.701,44.45) 92.764,45.514 ccw(c93.828,46.577) SERVO3.11@93.828,45.073 ; SERVO3.11@93.459,44.45 ccw(c92.568,44.45) 93.198,45.08 ccw(c93.828,45.71) SERVO3.11@93.828,44.819
  Top Layer w0.508: MDE_STM32F407Z.201@86.106,100.689 MDE_STM32F407Z.200@88.646,100.689 ; MDE_STM32F407Z.201@86.457,100.338 cw(c87.303,99.492) 87.303,100.689 cw(c87.303,101.887) MDE_STM32F407Z.201@86.457,101.04 ; MDE_STM32F407Z.200@88.295,100.338 ccw(c87.449,99.492) 87.449,100.689 ccw(c87.449,101.887) MDE_STM32F407Z.200@88.295,101.04
  Top Layer w0.635: v2(79.375,73.254) 79.386,73.264 SPI1.5@81.255,73.264 ; v2(79.375,88.951) 79.386,88.962 UART2.3@81.255,88.962 ; v2(79.375,102.235) 79.386,102.246 UART4.3@81.255,102.246 ; v2(79.426,57.455) 79.437,57.466 IIC.3@81.305,57.466 ; v2@90.007,35.956 motor1.5@90.007,37.643 ; v2@103.319,36.203 ccw(c102.836,36.686) 103.52,36.686 ; v2(103.454,36.068) 103.52,36.133 GPS.6@103.52,37.821 ; v2@122.877,36.076 ccw(c122.333,36.62) 123.103,36.62 ; v2(123.012,35.941) 123.103,36.032 motor2.5@123.103,37.795 ; USART6.3@131.826,62.753 133.513,62.753 v2(133.579,62.687) ; motor3.5@131.902,46.725 133.666,46.725 v2(133.731,46.66) ; Terminal.5@131.902,91.099 133.589,91.099 v2(133.655,91.034) ; HF_IMU.3@131.953,107.152 133.64,107.152 v2(133.706,107.086) ; 132.961,62.753 cw(c132.961,62.069) v2@133.444,62.552 ; 133.037,91.099 cw(c133.037,90.416) v2@133.52,90.899 ; 133.088,107.152 cw(c133.088,106.469) v2@133.571,106.952 ; 133.113,46.725 cw(c133.113,46.042) v2@133.596,46.525
  Top Layer w0.762: BEEP.1@123.038,119.457 ccw(c124.204,120.623) 124.204,118.974 ; BEEP.1@123.139,119.558 123.292,119.405 123.419,119.405 123.85,118.974 D1.2@130.734,118.974 ; BEEP.1@123.577,119.995 ccw(c126.044,122.463) 126.044,118.974 ; D1.2@130.223,118.713 ccw(c129.593,118.083) 129.593,118.974 ccw(c129.593,119.864) D1.2@130.223,119.235
  Top Layer w1.27: MDE_POWER.2@115.926,119.812 122.885,119.812 BEEP.1@123.139,119.558 ; 121.645,119.812 cw(c121.645,118.063) BEEP.1@122.881,119.3
  Top Layer w2.032: SERVO3.11@93.828,44.45 SERVO3.8@96.876,44.45 SERVO3.5@99.924,44.45 SERVO3.2@102.972,44.45 SERVO2.11@106.02,44.45 SERVO2.8@109.068,44.45 SERVO2.5@112.116,44.45 SERVO2.2@115.164,44.45 SERVO1.11@118.212,44.45 SERVO1.8@121.26,44.45 SERVO1.5@124.308,44.45 SERVO1.2@127.356,44.45
  Bottom Layer w0.635: 77.699,73.254 v2(79.375,73.254) ; 77.699,88.951 v2(79.375,88.951) ; 77.699,100.66 77.727,100.689 MDE_STM32F407Z.201@86.106,100.689 MDE_STM32F407Z.200@88.646,100.689 ; 77.699,102.26 77.724,102.235 v2(79.375,102.235) ; 77.749,57.455 v2(79.426,57.455) ; MDE_STM32F407Z.201@85.8,100.383 ccw(c85.062,99.645) 85.062,100.689 ccw(c85.062,101.733) MDE_STM32F407Z.201@85.8,100.995 ; MDE_STM32F407Z.201@86.412,100.383 cw(c87.15,99.645) 87.15,100.689 cw(c87.15,101.733) MDE_STM32F407Z.201@86.412,100.995 ; MDE_STM32F407Z.200@88.34,100.383 ccw(c87.602,99.645) 87.602,100.689 ccw(c87.602,101.733) MDE_STM32F407Z.200@88.34,100.995 ; 89.941,35.577 cw(c90.625,35.577) v2@90.142,36.06 ; v2(90.007,36.195) 89.941,36.13 89.941,34.29 89.941,34.188 90.018,34.112 ; v2(103.454,36.068) 103.454,34.366 103.53,34.29 ; v2(123.012,35.941) 123.012,34.29 123.012,34.239 123.088,34.163 ; v2(133.579,62.687) 135.28,62.687 135.357,62.763 ; v2(133.655,91.034) 135.357,91.034 135.433,91.11 ; v2(133.706,107.086) 135.357,107.086 135.407,107.086 135.484,107.163 ; v2(133.731,46.66) 135.357,46.66 135.433,46.66 135.509,46.736
  Bottom Layer w0.762: SERVO3.11@93.828,44.081 cw(c93.828,43.19) 94.458,43.82 cw(c95.087,44.45) SERVO3.11@94.197,44.45 ; SERVO3.11@93.828,44.45 95.225,43.053 95.301,43.053 95.301,34.341 95.352,34.29 ; SERVO3.8@96.876,44.081 cw(c96.876,42.7) 97.852,43.676 ; SERVO3.8@96.876,44.45 97.079,44.45 98.45,43.078 98.45,34.341 98.4,34.29 ; SERVO3.5@99.924,44.45 100.457,44.45 101.422,43.485 ; SERVO3.5@99.932,44.081 cw(c99.981,42.044) 101.422,43.485 ; 101.448,34.29 101.422,34.315 101.422,43.485
  Bottom Layer w1.27: 77.699,102.972 77.699,102.26 77.699,100.66 77.699,88.951 77.699,73.254 77.699,52.908 80.289,50.317 80.289,39.37 82.144,37.516 82.144,35.509 83.363,34.29 89.941,34.29 95.352,34.29 98.4,34.29 101.448,34.29 103.53,34.29 123.012,34.29 130.353,34.29 131.267,35.204 131.267,37.44 132.232,38.405 135.077,38.405 135.357,38.684 135.357,46.66 135.357,62.763 135.357,91.034 135.357,107.086 ; BEEP.1@123.139,119.558 125.781,116.916 133.35,116.916 135.407,114.859 135.407,107.086
VCC_BATTERY: Battery_In1.1 Battery_In2.1 MDE_POWER.1 SERVO.2 | length 54.9
  Top Layer w1.27: SERVO.2@77.876,114.057 81.447,114.057 Battery_In1.1@84.353,111.15 ; Battery_In1.1@83.738,111.15 ccw(c82.254,111.15) 83.304,112.2 ccw(c84.353,113.25) Battery_In1.1@84.353,111.765
  Top Layer w2.032: Battery_In2.1@89.637,111.125 106.07,111.125 109.703,114.757 109.703,119.99 111.506,121.793 MDE_POWER.1@115.926,121.793
  Top Layer w2.54: Battery_In1.1@84.353,111.15 89.611,111.15 Battery_In2.1@89.637,111.125
  Bottom Layer w2.54: Battery_In1.1@84.353,111.15 Battery_In2.1@90.221,111.15
VCC_USB5V: CP2102USB.6 D1.1 | length 19.6
  Top Layer w0.762: D1.1@130.473,113.633 cw(c129.843,113.003) 130.734,113.003 cw(c131.625,113.003) D1.1@130.995,113.633 ; v3(130.734,112.293) D1.1@130.734,113.894
  Bottom Layer w0.762: CP2102USB.6@120.745,104.553 ccw(c120.116,105.182) 121.006,105.182 ccw(c121.895,105.182) CP2102USB.6@121.266,104.553 ; CP2102USB.6@121.006,104.292 121.006,107.036 122.936,108.966 127.381,108.966 v3@130.721,112.306 ; 130.257,111.842 cw(c130.734,111.365) v3@130.734,112.039
pads on no net: CAN2_A.3 CAN2_B.3 CP2102USB.1 CP2102USB.2 MDE_POWER.0 MDE_STM32F407Z.1 MDE_STM32F407Z.2 MDE_STM32F407Z.3 MDE_STM32F407Z.4 MDE_STM32F407Z.5 MDE_STM32F407Z.6 MDE_STM32F407Z.7 MDE_STM32F407Z.8 MDE_STM32F407Z.9 MDE_STM32F407Z.10 MDE_STM32F407Z.11 MDE_STM32F407Z.12 MDE_STM32F407Z.13 MDE_STM32F407Z.14 MDE_STM32F407Z.15 MDE_STM32F407Z.18 MDE_STM32F407Z.19 MDE_STM32F407Z.20 MDE_STM32F407Z.21 MDE_STM32F407Z.22 MDE_STM32F407Z.47 MDE_STM32F407Z.48 MDE_STM32F407Z.49 MDE_STM32F407Z.50 MDE_STM32F407Z.53 MDE_STM32F407Z.54 MDE_STM32F407Z.55 MDE_STM32F407Z.56 MDE_STM32F407Z.57 MDE_STM32F407Z.58 MDE_STM32F407Z.73 MDE_STM32F407Z.74 MDE_STM32F407Z.80 MDE_STM32F407Z.85 MDE_STM32F407Z.86 MDE_STM32F407Z.87 MDE_STM32F407Z.88 MDE_STM32F407Z.89 MDE_STM32F407Z.90 MDE_STM32F407Z.91 MDE_STM32F407Z.92 MDE_STM32F407Z.93 MDE_STM32F407Z.100 MDE_STM32F407Z.103 MDE_STM32F407Z.104 MDE_STM32F407Z.110 MDE_STM32F407Z.111 MDE_STM32F407Z.112 MDE_STM32F407Z.113 MDE_STM32F407Z.116 MDE_STM32F407Z.125 MDE_STM32F407Z.126 MDE_STM32F407Z.127 MDE_STM32F407Z.128 MDE_STM32F407Z.129 MDE_STM32F407Z.132 MDE_STM32F407Z.141 MDE_STM32F407Z.142 MDE_STM32F407Z.202 MDE_STM32F407Z.203 MDE_STM32F407Z.207 SWD.1

## Polygon pours and split planes (outlines as drawn)
GND_CHIP on Top Layer "Top Layer-GND" (solid, remove dead copper, pour order 4): 76.606,123.139 76.784,122.961 136.576,122.961 136.576,33.071 136.525,33.02 136.423,33.122 76.632,33.122 76.632,122.885 76.708,122.961
GND_CHIP on Bottom Layer "Bottom Layer-GND" (solid, remove dead copper, pour order 6): 76.632,123.063 76.708,122.987 136.449,122.987 136.449,33.122 136.398,33.172 76.556,33.172 76.556,122.834 76.632,122.911

## Keep-outs
Keep-Out Layer:
  lines w0.254: 76.581,123.063 76.581,33.122 136.576,33.122 136.576,123.139 76.581,123.139

## Silkscreen, mask and mechanical layers (free items; w line width, h text height)
Top Overlay:
  lines w0.254: 76.632,35.687 79.146,35.687 79.146,33.172 ; 76.632,120.574 79.146,120.574 79.146,123.088 ; 134.01,33.172 134.01,35.687 136.525,35.687 ; 134.01,123.088 134.01,120.574 136.525,120.574
Bottom Overlay:
  text "Power:12v" at 92.38,119.736 h3.05
  text "USB--TTL" at 118.135,116.738 h2.54
  text "SERVO" at 79.375,109.703 h3.81 r270
  text "IMU" at 136.034,109.449 h3.81 r90
  text "UART4" at 77.097,98.679 h3.81 r270
  text "Terminal" at 136.157,96.622 h3.81 r90
  text "USART2" at 77.064,84.353 h3.81 r270
  text "HANDS FREE" at 121.387,80.264 h7
  text "SWD" at 136.068,78.511 h3.81 r90
  text "SPI1" at 77.052,71.12 h3.81 r270
  text "USART6" at 136.068,67.894 h3.81 r90
  text "IIC" at 77.064,56.083 h3.81 r270
  text "Motor3" at 136.068,51.587 h3.81 r90
  text "SBUS" at 93.37,48.478 h1.65 r270
  text "PPM" at 96.402,48.478 h1.65 r270
  text "PB15" at 99.462,48.478 h1.65 r270
  text "PB14" at 102.493,48.478 h1.65 r270
  text "PE14" at 105.539,48.478 h1.65 r270
  text "PE13" at 108.599,48.478 h1.65 r270
  text "PE11" at 111.63,48.478 h1.65 r270
  text "PE9" at 114.69,48.478 h1.65 r270
  text "PC9" at 117.736,48.478 h1.65 r270
  text "PC8" at 120.782,48.478 h1.65 r270
  text "PC7" at 123.827,48.478 h1.65 r270
  text "PC6" at 126.873,48.478 h1.65 r270
  text "Signal" at 91.694,46.304 h2.54
  text "VCC5" at 91.694,43.488 h2.54
  text "CAN" at 79.197,41.3 h3.81 r270
  text "GND" at 91.694,41.097 h2.54
  text "Motor1" at 94.869,33.528 h3.81
  text "GPS" at 109.423,33.524 h3.81
  text "Motor2" at 128.092,33.528 h3.81
  text "SERVO1" at 124.816,7.315 h2.03
  text "SERVO3" at 90.399,7.163 h2.03
  text "SERVO2" at 111.862,7.01 h2.03

## Dimensions
134.01,120.574 to 134.01,35.687 on Top Overlay
79.146,35.687 to 134.01,35.687 on Top Overlay

## Text inside footprints (layer, text, board x,y; h text height)
BEEP: Top Overlay "+" at 124.612,120.98 h2.03 r270
CAN_AX_EEPROM: Top Overlay "CAN_L" at 116.942,66.409 h2.03 r270; Top Overlay "CAN_H" at 114.91,66.675 h2.03 r270; Top Overlay "CAN_RX" at 112.878,67.567 h2.03 r270; Top Overlay "CAN_TX" at 110.846,67.46 h2.03 r270; Top Overlay "IIC_SDA" at 108.814,67.335 h2.03 r270; Top Overlay "IIC_SCL" at 106.782,66.903 h2.03 r270; Top Overlay "USART_TX" at 104.75,68.982 h2.03 r270; Top Overlay "USART_RX" at 102.718,69.008 h2.03 r270; Top Overlay "AX_DATA" at 100.686,68.536 h2.03 r270; Top Overlay "AX_IO" at 98.527,66.096 h2.03 r270; Top Overlay "GND" at 96.622,65.176 h2.03 r270; Top Overlay "VCC3.3V" at 94.59,67.867 h2.03 r270
"ControlUnit V1": Bottom Layer "Free" at 107.01,72.415 h0.89; Bottom Layer "Hands" at 108.28,73.685 h0.89; Bottom Solder "Free" at 107.01,72.415 h0.89; Bottom Solder "Hands" at 108.28,73.685 h0.89
IMU: Top Overlay "SDA" at 106.274,83.922 h1.14 r90; Top Overlay "VCC3.3" at 98.781,83.922 h1.14 r90; Top Overlay "GND" at 101.321,83.922 h1.14 r90; Top Overlay "SCL" at 103.734,83.922 h1.14 r90; Top Overlay "GY86 87" at 96.114,83.922 h1.14 r90
MDE_POWER: Top Overlay "MDE V1.0" at 96.164,105.969 h0.9; Top Overlay "PSupply" at 96.164,108.128 h1.5; Top Overlay "HandsFree" at 96.164,110.541 h2; Top Overlay "Vin:6-35V" at 96.037,102.794 h0.89; Top Overlay "21.74*23.24mm" at 94.894,100.254 h1; Top Overlay "VCC_IN" at 109.626,121.336 h0.89; Top Overlay "VCC5V_OUT" at 106.832,119.431 h0.89; Top Overlay "VCC3.3V_OUT" at 105.054,117.399 h0.89; Top Overlay "GND" at 96.545,117.78 h0.89 r90; Top Overlay "ADC:1/11 Vi" at 105.054,115.367 h0.89
MDE_STM32F407Z: Top Overlay "GND" at 121.793,107.09 h0.89 r270; Top Overlay "GND" at 85.293,107.826 h0.76 r225; Top Overlay "GND" at 128.219,52.226 h0.76 r225; Top Overlay "GND" at 123.292,50.041 h0.76; Top Overlay "GND" at 83.998,51.718 h0.76 r315; Top Overlay "GND" at 128.397,107.09 h0.89 r270; Top Overlay "B6" at 128.397,98.936 h0.89 r270; Top Overlay "B7" at 121.793,98.835 h0.89 r270; Top Overlay "B4" at 128.397,96.396 h0.89 r270; Top Overlay "B5" at 121.793,96.295 h0.89 r270; Top Overlay "B8" at 128.397,101.375 h0.89 r270; Top Overlay "B9" at 121.793,101.4 h0.89 r270; Top Overlay "G15" at 128.397,94.237 h0.89 r270; Top Overlay "B3" at 121.793,93.806 h0.89 r270; Top Overlay "G14" at 121.793,91.647 h0.89 r270; Top Overlay "G13" at 128.397,91.621 h0.89 r270; Top Overlay "G12" at 121.793,89.081 h0.89 r270; Top Overlay "G11" at 128.397,88.903 h0.89 r270; Top Overlay "G10" at 121.793,86.465 h0.89 r270; Top Overlay "G9" at 128.397,86.16 h0.89 r270; Top Overlay "D6" at 128.397,83.646 h0.89 r270; Top Overlay "D7" at 121.793,83.646 h0.89 r270; Top Overlay "D4" at 128.397,81.029 h0.89 r270; Top Overlay "D5" at 121.793,80.979 h0.89 r270; Top Overlay "D2" at 128.397,78.464 h0.89 r270; Top Overlay "D3" at 121.793,78.591 h0.89 r270; Top Overlay "D1" at 121.793,75.797 h0.89 r270; Top Overlay "D0" at 128.397,76.026 h0.89 r270; Top Overlay "C11" at 128.397,73.74 h0.89 r270; Top Overlay "C12" at 121.793,73.841 h0.89 r270; Top Overlay "C10" at 121.793,71.225 h0.89 r270; Top Overlay "A15" at 128.397,71.25 h0.89 r270; Top Overlay "A13" at 128.397,68.609 h0.89 r270; Top Overlay "A14" at 121.793,68.761 h0.89 r270; Top Overlay "A11" at 128.397,65.942 h0.89 r270; Top Overlay "A12" at 121.793,66.145 h0.89 r270; Top Overlay "A9" at 128.397,63.427 h0.89 r270; Top Overlay "A10" at 121.793,63.554 h0.89 r270; Top Overlay "C9" at 128.397,60.887 h0.89 r270; Top Overlay "A8" at 121.793,60.786 h0.89 r270; Top Overlay "C7" at 128.397,58.195 h0.89 r270; Top Overlay "C8" at 121.793,58.322 h0.89 r270; Top Overlay "G8" at 128.397,55.68 h0.89 r270; Top Overlay "C6" at 123.444,56.595 h0.76 r225; Top Overlay "G7" at 120.65,54.563 h0.76 r225; Top Overlay "G6" at 121.006,49.889 h0.89; Top Overlay "G4" at 118.466,49.889 h0.89; Top Overlay "G5" at 118.415,56.468 h0.89; Top Overlay "G3" at 115.9,56.468 h0.89; Top Overlay "G2" at 115.926,49.889 h0.89; Top Overlay "D15" at 113.03,56.468 h0.89; Top Overlay "D14" at 113.157,49.889 h0.89; Top Overlay "D13" at 110.515,56.468 h0.89; Top Overlay "D12" at 110.566,49.889 h0.89; Top Overlay "D11" at 108.102,56.468 h0.89; Top Overlay "D10" at 107.925,49.889 h0.89; Top Overlay "D9" at 105.689,56.468 h0.89; Top Overlay "D8" at 105.842,49.889 h0.89; Top Overlay "B15" at 102.819,56.468 h0.89; Top Overlay "B14" at 103.073,49.889 h0.89; Top Overlay "B13" at 100.355,56.468 h0.89; Top Overlay "B12" at 100.432,49.889 h0.89; Top Overlay "E0" at 103.073,107.547 h0.89; Top Overlay "E1" at 103.581,100.638 h0.89; Top Overlay "E2" at 100.609,107.547 h0.89; Top Overlay "E3" at 100.762,100.638 h0.89; Top Overlay "E4" at 98.12,107.547 h0.89; Top Overlay "E5" at 98.196,100.638 h0.89; Top Overlay "E6" at 95.555,107.547 h0.89; Top Overlay "C13" at 95.199,100.638 h0.89; Top Overlay "C14" at 92.735,107.547 h0.89; Top Overlay "C15" at 92.685,100.638 h0.89; Top Overlay "F0" at 90.475,107.547 h0.89; Top Overlay "F1" at 92.38,105.058 h0.76 r225; Top Overlay "F2" at 83.566,98.886 h0.89 r270; Top Overlay "F3" at 90.17,98.835 h0.89 r270; Top Overlay "F4" at 83.566,96.295 h0.89 r270; Top Overlay "F5" at 90.17,96.32 h0.89 r270; Top Overlay "F6" at 83.566,93.831 h0.89 r270; Top Overlay "F7" at 90.17,93.653 h0.89 r270; Top Overlay "F8" at 83.566,91.291 h0.89 r270; Top Overlay "F9" at 90.17,91.139 h0.89 r270; Top Overlay "F10" at 83.566,89.056 h0.89 r270; Top Overlay "C0" at 90.17,88.726 h0.89 r270; Top Overlay "C1" at 83.566,86.084 h0.89 r270; Top Overlay "C2" at 90.17,86.16 h0.89 r270; Top Overlay "C3" at 83.566,83.671 h0.89 r270; Top Overlay "A0" at 90.17,83.646 h0.89 r270; Top Overlay "A2" at 90.17,81.106 h0.89 r270; Top Overlay "A1" at 83.566,80.979 h0.89 r270; Top Overlay "A3" at 83.566,78.616 h0.89 r270; Top Overlay "A4" at 90.17,78.693 h0.89 r270; Top Overlay "A5" at 83.566,76.051 h0.89 r270; Top Overlay "A6" at 90.17,75.848 h0.89 r270; Top Overlay "A7" at 83.566,73.435 h0.89 r270; Top Overlay "C4" at 90.17,73.46 h0.89 r270; Top Overlay "C5" at 83.566,70.946 h0.89 r270; Top Overlay "B0" at 90.17,70.971 h0.89 r270; Top Overlay "B1" at 83.566,68.279 h0.89 r270; Top Overlay "B2" at 90.17,68.406 h0.89 r270; Top Overlay "F11" at 83.566,66.17 h0.89 r270; Top Overlay "F12" at 90.17,66.12 h0.89 r270; Top Overlay "F13" at 83.566,63.681 h0.89 r270; Top Overlay "F14" at 90.17,63.58 h0.89 r270; Top Overlay "F15" at 83.566,60.963 h0.89 r270; Top Overlay "G0" at 90.17,60.735 h0.89 r270; Top Overlay "G1" at 83.566,57.992 h0.89 r270; Top Overlay "E7" at 86.614,58.982 h0.89 r315; Top Overlay "E8" at 83.566,55.706 h0.89 r270; Top Overlay "E9" at 88.722,56.061 h0.89 r315; Top Overlay "E10" at 90.322,49.889 h0.89; Top Overlay "E11" at 90.348,56.468 h0.89; Top Overlay "E12" at 92.837,49.889 h0.89; Top Overlay "E13" at 92.761,56.468 h0.89; Top Overlay "E14" at 95.352,49.889 h0.89; Top Overlay "E15" at 95.225,56.468 h0.89; Top Overlay "B10" at 97.841,49.889 h0.89; Top Overlay "B11" at 97.866,56.468 h0.89; Top Overlay "5V" at 83.566,101.451 h0.89 r270; Top Overlay "VB" at 83.566,103.991 h0.89 r270; Top Overlay "5V" at 90.17,101.375 h0.89 r270; Top Overlay "3.3" at 89.941,103.229 h0.76 r225; Top Overlay "GND" at 87.478,107.547 h0.89; Top Overlay "3.3" at 128.397,104.22 h0.89 r270; Top Overlay "3.3" at 121.793,104.22 h0.89 r270; Top Overlay "GND" at 87.655,49.889 h0.89